# Altium PCB FinalArmPCB.PcbDoc (continued)
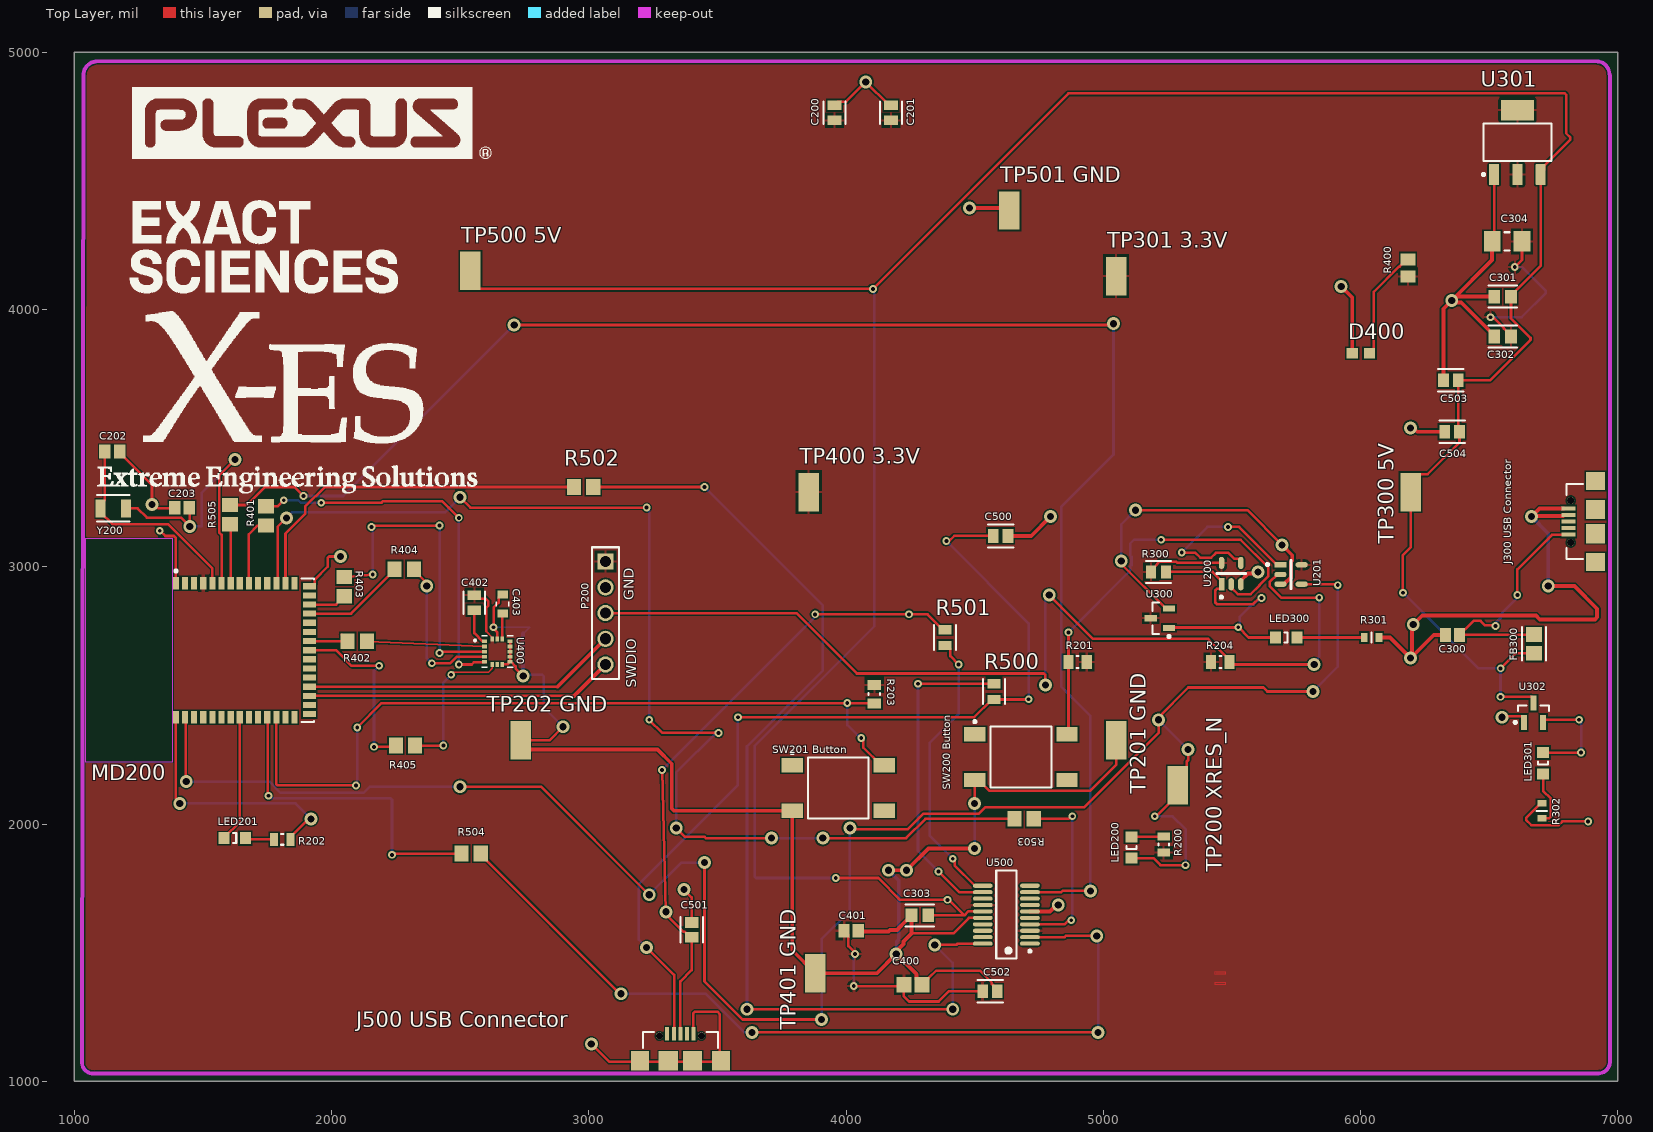
[diagram p0: Top Layer view]
## Part data (continued)
"TP200 XRES_N" "TP201 GND" "TP202 GND" "TP300 5V" "TP301 3.3V" "TP400 3.3V" "TP401 GND" "TP500 5V" "TP501 GND": library part CMP-1672-00008-1, "Test Point, 1 Position SMD, RoHS, Tape and Reel", Manufacturer 1="Keystone Electronics", Package Quantity=1000, Supplier Part Number 1=36-5019CT-ND, Category=Connectors, ComponentLink1Description="Manufacturer URL", ComponentLink1URL=http://www.keyelco.com/, ComponentLink2Description=Datasheet, ComponentLink2URL=http://www.keyelco.com/product-pdf.cfm?p=1357, ComponentLink3Description=https://datasheet.ciiva.com/16318/m60-2p61-16318395.pdf?src-supplier=Future+Electronics, ComponentLink3URL=https://datasheet.ciiva.com/16318/m60-2p61-16318395.pdf?src-supplier=Future+Electronics, ComponentLink4Description=https://datasheet.ciiva.com/16885/70182998-16885945.pdf?src-supplier=Allied+Electronics, ComponentLink4URL=https://datasheet.ciiva.com/16885/70182998-16885945.pdf?src-supplier=Allied+Electronics, ComponentLink5Description=https://datasheet.ciiva.com/14848/m60-2p61-14848437.pdf?src-supplier=Digi-Key, ComponentLink5URL=https://datasheet.ciiva.com/14848/m60-2p61-14848437.pdf?src-supplier=Digi-Key, ComponentLink6Description=https://datasheet.ciiva.com/14848/m60-2p61-14848438.pdf?src-supplier=Digi-Key, ComponentLink6URL=https://datasheet.ciiva.com/14848/m60-2p61-14848438.pdf?src-supplier=Digi-Key, ComponentLink7Description=https://datasheet.ciiva.com/14848/m60-2p61-14848439.pdf?src-supplier=Digi-Key, ComponentLink7URL=https://datasheet.ciiva.com/14848/m60-2p61-14848439.pdf?src-supplier=Digi-Key, Contact Material=Bronze, Contact Plating=Silver, DatasheetVersion=03/2014, Height=0.09inch, Lead Free="Lead Free", Manufacturer Part Number 1=5019, Material=Bronze, Mount="Surface Mount", Mounting Technology="Surface Mount", Number of Pins=1, PackageDescription="1-Pin Surface Mount Device, Body 3.81 x 2.03 mm", PackageReference=5019, Packaging="Tape and Reel", Pins=1, Pricing 1="1=0.34000, 25=0.27360, 100=0.22340, 250=0.20064, 500=0.19152 (USD)", REACH SVHC="No SVHC", RoHS=Yes, RoHS Compliant=Yes, RoHSCompliant=True, Series=5019, Stock 1=1316816, Supplier 1=Digi-Key, Termination=SMD/SMT
U200 U201: library part CMP-04903-000082-1, "IC GATE AND 1CH 2-INP SOT23-5", Manufacturer 1="Texas Instruments", Supplier Part Number 1=296-SN74AHC1G08DBV3CT-ND, Category="Logic Gates", ComponentLink1Description=http://www.ti.com/general/docs/suppproductinfo.tsp?distId=10&amp;gotoUrl=http%3A%2F%2Fwww.ti.com%2Flit%2Fgpn%2Fsn74ahc1g08&src-supplier=Digi-Key, ComponentLink1URL=http://www.ti.com/general/docs/suppproductinfo.tsp?distId=10&amp;gotoUrl=http%3A%2F%2Fwww.ti.com%2Flit%2Fgpn%2Fsn74ahc1g08&src-supplier=Digi-Key, Logic Function="AND GATE", Manufacturer Part Number 1=SN74AHC1G08DBV3, Pricing 1="1=0.53000, 10=0.42800, 25=0.39200, 100=0.29170, 250=0.26436, 500=0.21878, 1000=0.16409 (USD)", RoHS=Yes, RoHS Compliant=Yes, Stock 1=11940, Supplier 1=Digi-Key
U300: library part CMP-0130-00043-1, "1.75Î¼A Micropower Voltage Detector, Push-Pull Output, 2.93V, 3-Pin SOT-23, Extended Temperature, Tape and Reel", Code_IPC=SOT23-3, DatasheetVersion="revD, Jun-2005", PackageDescription="3-Lead Plastic Small Outline Transistor (TT) [SOT-23]", PackageReference=SOT-23-TT3, PackageVersion="revBB, Aug-2009"
U301: library part CMP-0395-00499-2, "Single Output LDO, 1 A, Fixed 3.3 V Output, 2 to 5.5 V Input, 4-pin SOT-223 (DCY), -40 to 125 degC, Green (RoHS & no Sb/Br)", Manufacturer="Texas Instruments", Accuracy(%)=2, Code_JEDEC=TO-261, ComponentLink1Description="Manufacturer URL", ComponentLink1URL=http://www.ti.com/, ComponentLink2Description=Datasheet, ComponentLink2URL=http://www.ti.com/general/docs/lit/getliterature.tsp?genericPartNumber=TLV1117LV33&fileType=pdf, ComponentLink3Description="Package Specification", ComponentLink3URL=http://www.ti.com/litv/pdf/mpds094a, DatasheetVersion=SBVS160A, Eco-Plan="Green (RoHS & no Sb/Br)", Fixed Output Options(V)=3.3, Iout(Max)(A)=1, Iq(Typ)(mA)=0.05, Mounting Technology="Surface Mount", PackageDescription="4-Pin Plastic Small Outline, Body 3.5 x 6.5 mm, Pitch 2.3 mm", PackageReference=DCY0004A, PackageVersion=4202506/B, PartNumber=TLV1117LV33DCYT, SubFamily="Single Channel LDO", Vdo(Typ)(mV)=1200, Vin(Max)(V)=5.5, Vin(Min)(V)=2, Vout Adj(Max)(V)=3.3, Vout Adj(Min)(V)=3.3
U302: library part CMP-0138-00383-1, "Microcontroller Supervisory Circuit with Push-Pull Output, 3-Pin SOT-23, Industrial Temperature, Tape and Reel", Code_IPC=SOT23-3, DatasheetVersion="revC, 2001", PackageDescription="3-Lead Plastic Small Outline Transistor (TT) [SOT-23]", PackageReference=SOT-23-TT3, PackageVersion="revBB, Aug-2009"
U400: "MotionTracking Device Digital Output 1.8V 16-Pin LGA / IMU ACCEL/GYRO I2C/SPI 16LGA", Case/Package=LGA, Manufacturer="TDK InvenSense", Max Operating Temperature=85°C, Min Operating Temperature=-40°C, Package="LGA-16 InvenSense", Supplier Part Number 1=1428-1052-1-ND, Availability=Good, Category="Inertial Measurement Units (IMUs)", ComponentLink1Description=https://www.invensense.com/wp-content/uploads/2015/03/ICM-20608-G-Product-Brief-v1.0.pdf?src-supplier=Digi-Key, ComponentLink1URL=https://www.invensense.com/wp-content/uploads/2015/03/ICM-20608-G-Product-Brief-v1.0.pdf?src-supplier=Digi-Key, Manufacturer Part Number=ICM-20608-G, MF="TDK InvenSense", Mount="Surface Mount", MP=ICM-20608-G, Number of Pins=16, Output Type=SPI,I2C,Digital, Price=None, Pricing 1="1=7.78000, 5=6.86600, 10=6.06500, 25=4.92040, 50=4.34820, 100=4.23370, 500=3.54718, 1000=3.31832 (USD)", Purchase-URL=https://pricing.snapeda.com/search/part/ICM-20608-G/?ref=eda, RoHS=No, RoHS Compliant=No, Sensor Type="Accelerometer,Gyroscope,3 Axis", SnapEDA_Link=https://www.snapeda.com/parts/ICM-20608-G/TDK%20InvenSense/view-part/196551/?ref=snap, Stock 1=18416, Supplier 1=Digi-Key
U500: library part CMP-0248-00015-2, "USB to Full-Handshake UART Interface Chip, UHCI/OHCI/EHCI Compatible, USB 2.0 Compatible, -40 to +85 degC, 20-Pin SSOP, Pb-Free, Tube", Manufacturer=FTDI, Code_JEDEC=MO-137-AD, ComponentLink1Description="Manufacturer URL", ComponentLink1URL=http://www.ftdichip.com/, ComponentLink2Description=Datasheet, ComponentLink2URL=http://www.ftdichip.com/Support/Documents/DataSheets/ICs/DS_FT231X.pdf, ComponentLink3Description="FT231X Product Page", ComponentLink3URL=www.ftdichip.com/Products/ICs/FT231X.html, DatasheetVersion="ver 1.2, Feb-2013", PackageDescription="20-Pin Small Outline Package, 8.6 x 3.9 mm Body, 0.635 mm Pitch", PackageReference=SSOP-20, PackageVersion=Feb-13, PartNumber=FT231XS-U, RevisionNote="DatasheetVersion updated to 1.2 Feb-2013"
Y200: library part CMP-2000-07587-2, "CRYSTAL 32.7680KHZ 6PF SMD", Case/Package=SMD/SMT, ESR (Equivalent Series Resistance)=55kR, Frequency=32.768kHz, Frequency Tolerance=20ppm, Load Capacitance=6pF, Manufacturer 1=Abracon, Manufacturer Part Number 1=ABS07-120-32.768KHZ-T, Max Operating Temperature=85°C, Min Operating Temperature=-40°C, Operating Frequency="32.768 kHz", Package Quantity=3000, Series Resistance=60kR, Supplier Part Number 1=535-11937-1-ND, Category=Crystals, ComponentLink1Description=https://datasheet.ciiva.com/6728/abs07-120-32-768khz-t-6728893.pdf?src-supplier=Digi-Key, ComponentLink1URL=https://datasheet.ciiva.com/6728/abs07-120-32-768khz-t-6728893.pdf?src-supplier=Digi-Key, ComponentLink2Description=https://datasheet.ciiva.com/12387/abs07-120-32-768khz-t-218607-12387629.pdf?src-supplier=Mouser, ComponentLink2URL=https://datasheet.ciiva.com/12387/abs07-120-32-768khz-t-218607-12387629.pdf?src-supplier=Mouser, ComponentLink3Description=https://datasheet.ciiva.com/15214/getdatasheetpartid-722402-15214953.pdf?src-supplier=Verical, ComponentLink3URL=https://datasheet.ciiva.com/15214/getdatasheetpartid-722402-15214953.pdf?src-supplier=Verical, Depth=1.5mm, Height=0.035inch, Lead Free="Lead Free", Length=3.2mm, Mount="Surface Mount", Number of Pins=2, Packaging="Tape and Reel", Pricing 1="1=1.20000, 10=1.15000, 50=1.12340, 100=0.96290, 500=0.93616, 1000=0.78905 (USD)", Radiation Hardening=No, REACH SVHC="No SVHC", RoHS=Yes, RoHS Compliant=Yes, Series=ABS07, Stock 1=273340, Supplier 1=Digi-Key, Termination=SMD/SMT, Tolerance=20ppm, Width=0.061inch

## Via types
v1: diameter 30, hole 15, Top Layer to Bottom Layer, 63 vias
v2: diameter 50, hole 28, Top Layer to Bottom Layer, 61 vias

## Nets (pads, with @x,y where several pads share a name; then routed paths per layer and width w, separated by ;. In a path a pad name is that pad's centre, name@x,y a point inside that pad or via, vN(x,y) a via of type N, cw(c..) or ccw(c..) an arc to the next point about the centre after c; other vN are vias at no path point)
3.3V: "TP301 3.3V.1" "TP400 3.3V.1" C200.1 C201.1 C302.1 C304.2 C400.1 C401.1 C402.2 C502.1 MD200.4 P200.1 R200.2 R201.2 R203.2 R204.2 R300.2 R400.1 U200.5 U201.5 U300.3 U301.2 U301.4 U400.16 U500.3 U500.14 | length 1990.3
  Top Layer w7: 2601,2749 2624.92,2725.08 U400.16
  Top Layer w10: C402.2 2568.7,2876.3 2598.7,2876.3 2610,2865 2610,2849.5 2601,2840.5 2601,2749 ; C401.1 4009.09,1568.35 4009.09,1525.66 4035,1499.76 v1(4035,1495) ; v1(4030,1370) 4220,1370 C400.1 4225,1330 4245,1310 4360.33,1310 4400.33,1350 C502.1 ; R203.2@4090,2540 R203.2@4103.11,2540 ; R300.2 5185.44,2985.07 5209.78,3009.41 5209.78,3011.06 5218.57,3019.85 5283.78,3019.85 5288.63,3015 U200.5 ; v1(6505.23,3970.23) 6515.46,3970.23 6557.66,3928.03 6557.66,3926.36 6585,3899.02 C302.1 ; v1(6600,4165) 6628.07,4193.07 C304.2
  Bottom Layer w10: v1(4030,1370) 4030,1490 v1(4035,1495) ; v1(6505.23,3970.23) 6505.46,3970 6626.72,3970 6720.86,4064.14 6720.86,4072.42 6629,4164.28 6600.72,4164.28 v1(6600,4165)
3V3_PWR_GOOD: LED300.2 R300.1 U200.1 U300.1 | length 1113.8
  Top Layer w10: R300.1 5425.53,2980 5460,2945.53 5460,2920.05 5454.52,2914.58 5442.29,2914.58 5435.72,2908.01 5435.72,2860.86 5441.58,2855 5582.67,2855 5606.51,2878.84 v1(5615.4,2878.84) ; U300.1 5256.64,2763.8 5523.8,2763.8 v1(5525,2765) 5565,2725 LED300.2
  Bottom Layer w10: v1(5525,2765) 5530,2770 5530,2805 5577.8,2852.8 5584.87,2852.8 5610.91,2878.84 v1(5615.4,2878.84)
5V: "TP300 5V.1" "TP500 5V.1" C301.1 C303.1 C503.1 C504.1 FB300.1 U301.3 U302.3 U500.15 | length 11486.1
  Top Layer w10: 2540,4150 2540,4115.16 2574.96,4080.2 4104.8,4080.2 v1(4105,4080) 4865,4840 6794.14,4840 6800,4834.14 6800,4685.12 6815.86,4669.26 6815.86,4660.98 6715.24,4560.35 6715.24,4545 6700.55,4530.31 U301.3 6700.55,4169.44 6585.13,4054.02 C301.1 6585.13,3965.69 6660.86,3889.96 6660.86,3881.68 6504.18,3725 C503.1 6380,3530 C504.1 6385,3483.3 6261.5,3359.8 6229.96,3359.8 6195,3324.84 6195,3290 6195,3075.1 6165,3045.1 v1(6165,2899.13) ; v1(3960,1790) 4125.76,1790 4210.76,1705 4400,1705 4460,1645 ; C303.1 4460,1645 ; U500.15 4475,1660 4460,1645 ; v1(6544.33,2494.33) 6665.79,2494.33 6672.6,2487.52 U302.3 ; v1(6545,2605) 6603.56,2663.56 FB300.1
  Bottom Layer w10: v1(3960,1790) 3650.86,1790 3645,1795.86 3645,2303.71 4110,2768.71 4110,4075 v1(4105,4080) ; v1(6165,2899.13) 6459.13,2605 v1(6545,2605) 6544.33,2604.33 v1(6544.33,2494.33)
  other v1: 4395,1705
5V0_PWR_GOOD: LED301.2 U302.2 | length 424.2
  Top Layer w10: LED301.2 v1(6857.68,2277.68) ; U302.2 6710,2398.19 6716.81,2405 v1(6850,2405)
  Bottom Layer w10: v1(6850,2405) 6857.68,2397.32 v1(6857.68,2277.68)
FTDI_CTS_N: R505.2 U500.9 | length 6331.4
  Top Layer w10: R505.2 1670.72,3240 1740.72,3310 1856,3310 v1(1891,3275) ; v2(2710,3940) 5035,3940 v2(5040,3945) ; U500.9@4716.1,1736.1 U500.9 4836.79,1735 4841.79,1740 v2(4950,1740)
  Bottom Layer w10: v1(1891,3275) 2045,3275 v2(2710,3940) ; v2(4950,1740) 4950,2420 4836,2534 4836,3231.58 5040,3435.58 v2(5040,3945)
FTDI_RTS_N: R504.2 U500.2 | length 3328.8
  Top Layer w10: R504.2 2580,1882.05 3122.05,1340 v2(3125,1340) ; v2(3635,1190) v2(4980,1190) ; U500.2 4849.29,1560 4854.29,1565 v2(4975,1565)
  Bottom Layer w10: v2(3125,1340) 3455,1340 3605,1190 v2(3635,1190) ; v2(4975,1565) 4980,1560 v2(4980,1190)
FTDI_RX: R503.2 U500.4 | length 727.6
  Top Layer w10: U500.4 4849.18,1610 4865.05,1625.88 v1(4875.88,1625.88) ; R503.2 4865.13,2020 4875.13,2030 v1(4880,2030)
  Bottom Layer w10: v1(4875.88,1625.88) 4880,1630 v1(4880,2030)
FTDI_TX: R502.2 U500.20 | length 4044.3
  Top Layer w10: R502.2@3018.07,3309.33 R502.2 v1(3450,3310) ; v2(3615,1280) v2(4415,1280) ; v2(4345,1530) 4429.17,1530 4434.17,1535 U500.20
  Bottom Layer w10: v1(3450,3310) 3910,2850 3910,2597 3615,2302 v2(3615,1280) ; v2(4345,1530) 4415,1460 v2(4415,1280)
GND: "J300 USB Connector.4" "J300 USB Connector.5" "J500 USB Connector.5" "J500 USB Connector.Shell" "SW200 Button.3" "SW201 Button.3" "TP201 GND.1" "TP202 GND.1" "TP401 GND.1" "TP501 GND.1" C200.2 C201.2 C202.1 C203.1 C300.2 C301.2 C302.2 C303.2 C304.1 C400.2 C401.2 C403.2 C500.2 C501.2 C502.2 C503.2 C504.2 D400.1 MD200.1 MD200.15 MD200.43 P200.2 R202.1 R301.1 R302.1 U200.3 U201.3 U300.2 U301.1 U302.1 U400.8 U400.9 U400.10 U400.11 U400.12 U400.13 U400.15 U500.6 U500.16 | length 15648.2
  Top Layer w10: C202.1 1176.09,3444.06 1302,3318.15 v2(1302,3242) 1312.82,3242 1327.77,3227.06 C203.1@1387.97,3227.06 ; v1(1332,3140) 1333.75,3140 1354.09,3119.66 1387.37,3119.66 1395,3112.03 1395,2956.18 1400,2951.18 MD200.1@1400,2950 ; MD200.43 1395,2100 1410,2085 v2(1410,2080) ; R202.1 1840,1948.86 1911.14,2020 v2(1920,2020) ; MD200.15 1927.24,2924.02 1934.25,2931.02 1934.25,2949.25 1985,3000 1985,3034.14 1990.86,3040 v2(2035,3040) ; U400.15 2644.61,2744.98 2630,2759.59 v1(2630,2765) 2630,2841.21 2649.33,2860.54 2649.33,2880.67 2660.08,2891.42 C403.2 ; U400.8 2683.71,2620.71 2689.57,2626.57 2689.57,2629.06 2691.46,2630.95 U400.9 ; U400.13 U400.12 U400.11 U400.10 U400.9 ; 2735,2290.16 2735,2325 2847.3,2325 v2(2900.33,2378.03) ; v2(2745,2575) 2715.4,2604.6 2715.4,2612.52 2696.97,2630.95 U400.9 ; v2(3010,1145) 3079,1076 3510,1076 3510,1260 3499.76,1270.24 3412.86,1270.24 3407,1264.38 3407,1186 ; v2(3370,1745) 3400,1715 C501.2 ; C200.2 3968.7,4808.23 3999.88,4808.23 v2(4076.65,4885) 4167.13,4794.53 C201.2 ; 4255,1575 4418.28,1575 4478.28,1635 U500.16 ; C400.2@4271.34,1399.53 4273.84,1397.03 C400.2 4295.87,1375.98 4320.39,1400.51 4321.38,1400.51 4350.87,1430 4520.1,1430 4567.19,1382.91 4567.19,1377.32 4588.57,1355.94 C502.2 C502.2@4588.57,1344.06 ; v2@4500.87,2085.87 4500.87,2171.42 4514.65,2171.42 4557.2,2128.86 4948.86,2128.86 5050,2230 5050,2325 ; 4625,4395 4635,4385 4635,4350.16 ; v2@4818.43,1685 v2(4825,1685) ; v2(5070,3022.52) 5070,3011.02 5243.62,2837.4 U300.2 ; v2(5125,3220) 5560,3220 v2(5695,3085) ; U201.3 U201.3@5701.89,2932.6 ; v2(6195,2645) v2@6200,2650 ; v2(6195,3540) v2@6205.82,3540 ; v2@6200,2770 v2(6205,2775) ; v2@6362.65,4027.35 v2(6355,4035) 6365.82,4035 6380.82,4050 ; C304.1 6519.45,4272.52 U301.1 ; C302.2 C302.2@6519.87,3899.02 ; v2(6550,2415) 6554.53,2419.53 6628.39,2419.53 6635.2,2412.72 U302.1 ; v2(6665,3195) v2@6667.87,3197.87 ; R302.1 6700.08,2080 6644.14,2024.06 6644.14,2015.78 6664.8,1995.12 6770.18,1995.12 6785.06,2010 v1(6885,2010) ; 6786.97,3197.87 6789.69,3200.59
  Top Layer w15: 2735,2290.16 3266.66,2290.16 3322.5,2234.32 3322.5,2060.2 3331.29,2051.42 3790.87,2051.42 3790.87,1509.13 3880,1420 4120,1420 v2(4195,1495) ; C401.2@4044.72,1582.17 4165,1582.17 4170.54,1587.7 4197.7,1587.7 4235.69,1625.69 4239.71,1625.69 C303.2@4255,1640.98 ; v2(4165,1820) v2(4235,1820) 4320,1905 v2(4500,1905) ; C303.2 C303.2@4255,1640.98 ; C400.2@4273.84,1397.03 4273.84,1416.16 v2(4195,1495) ; v2(4480,4395) 4625,4395 ; C500.2 4720,3120 v2(4795,3195) ; U500.6 4793.43,1660 v2@4818.43,1685 ; U200.3 5534.8,2945.53 5562.57,2973.3 5595.22,2973.3 v2(5601.91,2980) ; v2(5695,3085) 5735,3045 5735,3023.86 5730.13,3018.99 5730.13,2958.68 5713.48,2942.02 5712.93,2942.02 5703.5,2932.6 U201.3@5701.89,2932.6 ; v2(5925,4090) 5968.07,4046.93 D400.1 ; R301.1 6115,2725 v2(6195,2645) ; v2@6200,2770 6200,2650 6285,2735 C300.2 ; v2(6205,2775) 6240,2810 6681.93,2810 6696.93,2795 6911.21,2795 6920,2803.79 6920,2836.57 6831.57,2925 v2@6731.54,2925 ; v2@6205.82,3540 6220.82,3525 C504.2 ; C503.2 6322.85,4002.85 v2(6355,4035) 6511.93,4191.93 C304.1 ; v2@6362.65,4027.35 6391.54,4027.35 C302.2@6519.87,3899.02 ; 6380.82,4050 C301.2 ; 6786.97,3197.87 6667.87,3197.87 6696.18,3226.18 6789.69,3226.18 ; v2(4195,1495) 4195,1504.39 4223.89,1533.28 4223.89,1543.89 4255,1575 C303.2@4255,1640.98
  Bottom Layer w7: v1(2630,2765) 2770,2765 2745,2740
  Bottom Layer w10: v2(1410,2080) 1860,2080 v2(1920,2020) ; v2(2745,2575) 2750,2580 2819.14,2580 2825,2574.14 2825,2453.37 v2(2900.33,2378.03) ; v2(4500,1905) v2(4500,2080) ; v2(5070,3022.52) 5070,3165 v2(5125,3220)
  Bottom Layer w15: v2(2745,2575) 2745,2740 ; v2(4165,1820) 4205,1780 4205,1550 4197.5,1542.5 4197.5,1497.5 v2(4195,1495) ; v2(6665,3195) 6730,3130 v2(6730,2925)
INT_DIG: R405.2 U400.6 | length 586.6
  Top Layer w7: v1(2465,2580) 2475,2590 2610.08,2590 2624.92,2604.84 U400.6
  Top Layer w10: R405.2@2324.8,2302.05 R405.2 2434.54,2305 v1(2434.62,2304.92)
  Bottom Layer w10: v1(2434.62,2304.92) 2434.62,2549.62 v1(2465,2580)
NetC300_1: "J300 USB Connector.1" C300.1 FB300.2 | length 954.9
  Top Layer w10: v1(6525,2770) 6522.91,2772.09 6485,2772.09 6467.09,2790 6440,2790 6406.57,2756.57 6401.65,2756.57 6385,2739.92 C300.1 6673.56,2735 FB300.2 ; v1(6610,2890) 6610,2990 6743.82,3123.82 6789.69,3123.82
  Bottom Layer w10: v1(6525,2770) 6525,2780.82 6544.32,2800.14 6544.32,2814.32 6610,2880 v1(6610,2890)
NetC402_1: C402.1 U400.1 | length 151.9
  Top Layer w10: C402.1@2555,2840.47 C402.1 2555,2741.89 2587.2,2709.69 U400.1
NetC403_1: C403.1 U400.14 | length 99
  Top Layer w10: U400.14 2664.29,2817.88 C403.1
NetD400_2: D400.2 R400.2 | length 432.1
  Top Layer w10: D400.2 6036.97,3830 6051.65,3844.69 6051.65,4068.1 6150.24,4166.69 6151.77,4166.69 6180.08,4195 R400.2
NetLED300_1: LED300.1 R301.2 | length 262.3
  Top Layer w10: LED300.1 R301.2
NetLED301_1: LED301.1 R302.2 | length 215.8
  Top Layer w10: R302.2 6733.93,2022.91 6739.78,2028.77 6739.78,2098.6 6710,2128.39 LED301.1
P0_0: C202.2 MD200.5 Y200.1 | length 825.1
  Top Layer w10: C202.2 1119,3259.17 1102.57,3242.75 Y200.1 1102.57,3211.25 1147.83,3166 1363.66,3166 1537.13,2992.54 MD200.5
P0_1: C203.2 MD200.6 Y200.2 | length 1220
  Top Layer w10: Y200.2 1245.86,3227 1281.81,3191.06 1414.33,3191.06 v2(1448.64,3156.75) 1448.64,3227.36 C203.2 ; MD200.6 1572.56,3124.01 1563.49,3133.08 1563.49,3355.49 v2(1625,3417)
  Bottom Layer w10: v2(1448.64,3156.75) 1494.75,3156.75 1495,3157 1495,3287 v2(1625,3417)
P0_4: MD200.41
P0_5: MD200.2
P5_0: MD200.39
P5_1: MD200.40
P5_2: MD200.38
P5_3: MD200.37
P5_4: MD200.25
P6_2: MD200.28
P6_3: MD200.30
P6_4: MD200.24
P6_5: MD200.29
P7_1: MD200.23
P7_2: MD200.22 R405.1 | length 701.2
  Top Layer w10: MD200.22 2017.72,2675.59 2078.31,2615 v1(2185,2615) ; v1@2170,2300 2245,2300 R405.1
  Bottom Layer w10: v1(2165,2300) 2165,2595 v1(2185,2615)
P7_7: MD200.31
P9.0: MD200.17 R403.1 | length 152
  Top Layer w10: MD200.17 2017.95,2853.15 R403.1 R403.1@2052.95,2885.2
P9.1: MD200.18 R404.1 | length 404
  Top Layer w10: MD200.18 2075.86,2817.72 2245.2,2987.05 R404.1
P9.2: MD200.21 R402.1 | length 183.6
  Top Layer w10: MD200.21 2061.57,2711.02 R402.1 2062.6,2712.95 R402.1@2040.04,2735.51
P9.3: MD200.9 R401.1 | length 283.8
  Top Layer w10: MD200.9 1678.86,3126.46 1712.6,3160.2 R401.1 R401.1@1754.46,3169.65
P9_4: MD200.14
P9_5: MD200.19
P9_6: MD200.20
P10.0: MD200.13 R502.1 | length 1405.8
  Top Layer w10: MD200.13 1820.98,3129.42 1897.49,3205.92 1897.49,3233.5 1973.99,3310 R502.1
P10.1: MD200.12 R503.1 | length 4651.6
  Top Layer w10: MD200.12 1790.51,2941.14 1790.51,3155.51 v2(1825,3190) ; v2(2500,3270) 2540,3230 v1(3225,3230) ; v1(3235,2405) 3285.93,2354.07 v1(3504.7,2354.07) ; v2(3340,1985) 3375,1950 3450,1950 3455,1945 v2(3710,1945) ; v2(3910,1945) 4233.72,1945 4308.72,2020 R503.1
  Bottom Layer w10: v2(1825,3190) 1846.17,3211.17 2441.17,3211.17 v2(2500,3270) ; v1(3225,3230) 3235,3220 v1(3235,2405) ; v2(3340,1985) 3340,2200 3500,2360 3504.7,2355.3 v1(3504.7,2354.07) ; v2(3710,1945) v2(3910,1945)
P10.2: MD200.33 R504.1 | length 1280
  Top Layer w10: MD200.33 1752.56,2412.56 1752.56,2112.44 v1(1755,2110) ; v1(2235,1880) 2240,1885 R504.1
  Bottom Layer w10: v1(1755,2110) 1765,2100 2229.14,2100 2235,2094.14 v1(2235,1880)
P10.3: MD200.7 R505.1 | length 230.3
  Top Layer w10: R505.1 1607.99,3162.2 MD200.7
P10.4: MD200.8
P10.5: MD200.11
P10.6: MD200.10
P12_6: MD200.34
P12_7: MD200.35
PB_IN: "SW201 Button.2" MD200.32 R203.1 | length 3166.6
  Top Layer w10: MD200.32 1785,2414.45 1785,2155.86 1790.86,2150 v1(2095,2150) ; v1(2100,2375) 2195,2470 v1(4005,2470) 4005.87,2469.13 R203.1 R203.1@4116.89,2469.13 ; v1(4059.44,2333.95) 4067.09,2326.29 4067.09,2296.85 4135.35,2228.58 4149.13,2228.58
  Bottom Layer w10: v1(2095,2150) 2100,2155 v1(2100,2375) ; v1(4005,2470) 4005,2385 4056.05,2333.95 v1(4059.44,2333.95)
PRG_RESET_N: P200.3 R204.1 U201.2 | length 3900.3
  Top Layer w10: P200.3 3807.17,2820 4042.17,2585 4769.14,2585 4775,2579.14 v2(4775,2540) ; v2(4790,2890) 4960,2720 5407.32,2720 5490.43,2636.89 R204.1 5500.43,2620 v2(5820,2620) ; U201.2 5676.77,2970 5646.84,2940.07 5646.84,2925.12 5691.96,2880 v1(5840,2880)
  Bottom Layer w10: v2(4775,2540) 4775,2875 v2(4790,2890) ; v2(5820,2620) 5820,2630.82 5840,2650.82 v1(5840,2880)
RESET1: U200.4 U201.1 | length 754.1
  Top Layer w10: v1(5305,3055.2) 5357.23,3055.2 5377.43,3035 5418.84,3035 5437.57,3053.73 5486.27,3053.73 5509.65,3030.35 5529.75,3030.35 5534.8,3025.29 U200.4 ; v1(5485,3155) 5527.79,3155 5675.39,3007.4 U201.1
  Bottom Layer w10: v1(5305,3055.2) 5305.2,3055.2 5405,3155 v1(5485,3155)
RESET_N: "SW200 Button.2" R201.1 U200.2 | length 1667.1
  Top Layer w10: 4859.13,2348.58 4865,2354.45 R201.1 v1(4865,2745) ; v1(5225,3105) 5533.48,3105 5641.91,2996.57 5641.91,2963.43 5607.5,2929.02 5607.5,2927.5 5573.09,2893.09 5523.35,2893.09 5497.4,2919.03 U200.2
  Bottom Layer w10: v1(4865,2745) 5105,2985 5105,3000.95 5110,3005.95 5110,3039.09 5105,3044.09 5105,3090 5120,3105 v1(5225,3105)
SPI_CS: R401.2 U400.5 | length 1474.9
  Top Layer w10: R401.2@1719.73,3240.78 R401.2@1725.51,3235 ; R401.2 1790,3235 1813.55,3258.55 v1(1814.13,3258.55) ; v1(1960,3249) 2194.71,3249 2200.71,3255 2430,3255 v1(2495,3190) ; v1(2495,2620) 2544.88,2620 2553.62,2628.74 U400.5@2595,2628.74
  Bottom Layer w10: v1(1814.13,3258.55) 1870.68,3258.55 1880.23,3249 v1(1960,3249) ; v1(2495,2620) v1(2495,3190)
SPI_SCLK: R402.2 U400.2 | length 458
  Top Layer w7: R402.2 U400.2
SPI_SDI: R403.2 U400.3 | length 1222.7
  Top Layer w10: R403.2 v1(2160,2970) ; v1@2160,3160 v1(2420,3160) ; v1(2420,2665) 2425.41,2665 2430.73,2670.32 U400.3
  Bottom Layer w10: v1(2160,2970) v1@2160,3150 ; v1(2420,2665) v1(2420,3160)
  other v1: 2155,3155
SPI_SDO: R404.2 U400.4 | length 632.2
  Top Layer w10: R404.2@2320,3012.6 R404.2 2320,2987.05 2362.35,2944.7 2362.35,2932.65 v2(2370,2925) ; v1(2390,2625) 2461.82,2625 2487.45,2650.63 U400.4
  Bottom Layer w10: v2(2370,2925) 2370,2645 v1(2390,2625)
SWDCLK: MD200.26 P200.4 | length 1228
  Top Layer w10: MD200.26 2878.46,2533.46
  Top Layer w15: 2878.46,2533.46 P200.4
SWDIO: MD200.27 P200.5 | length 1201.3
  Top Layer w10: MD200.27 2943.03,2498.03
  Top Layer w15: 2943.03,2498.03 P200.5
USB_D_M: "J500 USB Connector.2" C500.1 R500.1 | length 3561.1
  Top Layer w10: v2(3225,1520) 3332,1413 3332,1167.76 ; v1(3580,2415) 4498.16,2415 4567.05,2483.89 R500.1 4708.89,2483.89 v1(4710,2485) ; v1(4390,3100) 4400.82,3100 4420.82,3120 C500.1
  Bottom Layer w10: v2(3225,1520) 3195,1550 3195,1767.09 3580,2152.09 v1(3580,2415) ; v1(4390,3100) 4710,2780 v1(4710,2485)
USB_D_P: "J500 USB Connector.3" C501.1 R501.1 | length 2482.8
  Top Layer w10: v1(3285,2210) v2(3300,1658.57) 3300,1648.48 3367.09,1581.39 3372.68,1581.39 3394.06,1560 C501.1 3400,1431.71 3356,1387.71 3356,1184.29 ; v1@3890,2815 v1(4245,2815) 4317.05,2815 4377.05,2755 R501.1
  Bottom Layer w10: 3285,2195 v1(3285,2210) v1@3890,2815
  other v1: 3880,2815
USBDM: R500.2 U500.12 | length 1263.2
  Top Layer w10: v1(4280,2545) R500.2 ; v1(4360,1815) 4440,1735 U500.12
  Bottom Layer w10: v1(4280,2545) 4280,1895 v1(4360,1815)
USBDP: R501.2 U500.11 | length 1110.9
  Top Layer w10: R501.2 4392.95,2693.89 4405.78,2681.06 4405.78,2652.36 v1(4437.99,2620.16) ; v1(4415,1865) 4422.65,1857.35 4422.65,1838.76 4501.42,1760 U500.11
  Bottom Layer w10: v1(4415,1865) 4325,1955 4325,2314.89 4437.99,2427.88 v1(4437.99,2620.16)
USR_LED: LED201.2 MD200.36 | length 495.3
  Top Layer w10: LED201.2 1582.32,1946.97 1643.43,2008.07 MD200.36
USR_LED_R: LED201.1 R202.2 | length 114.1
  Top Layer w10: LED201.1 1670,1940 R202.2
VBACKUP: MD200.3
VREF: MD200.16
XRES_N: "TP200 XRES_N.1" LED200.1 MD200.42 U201.4 | length 7939.3
  Top Layer w10: MD200.42 1432.72,2412.72 1432.72,2167.28 v2(1435,2165) ; v2(2500,2145) 2815,2145 v2(3235,1725) ; v2(3450,1850) 3450,1388.43 3598.43,1240 v2(3905,1240) ; v2(4015,1985) 4020,1980 4240.44,1980 4300.44,2040 4516.57,2040 4542.08,2065.51 4926.49,2065.51 5215,2354.02 v2(5215,2405) 5214.14,2405.86 5214.14,2414.14 5330.51,2530.51 5622.54,2530.51 5638.06,2515 v2(5815,2515) ; LED200.1 5194.61,1867.32 5221.94,1840 v1(5320,1840) ; v1(5200,2030) 5204.84,2030 5290,2115.16 5290,2150 5324.96,2184.96 5324.96,2243.14 5330,2248.18 v2(5330,2290) ; U201.4 5907.6,2932.6 v1(5911.7,2928.5)
  Bottom Layer w10: v2(1435,2165) 1758.05,2165 1802.05,2121 2125.09,2121 2149.09,2145 v2(2500,2145) ; v2(3235,1725) 3360,1850 v2(3450,1850) ; v2(3905,1240) 3905,1552.09 4015,1662.09 v2(4015,1985) ; v1(5200,2030) 5270,2030 5320,1980 v1(5320,1840) ; v2(5215,2405) v2(5330,2290) ; v2(5815,2515) 5911.7,2611.7 v1(5911.7,2928.5)
XRES_N_R: LED200.2 R200.1 | length 125.6
  Top Layer w10: LED200.2 5233.5,1950 R200.1
pads on no net: "J300 USB Connector.2" "J300 USB Connector.3" "J300 USB Connector.MH1" "J300 USB Connector.MH2" "J300 USB Connector.Shell" "J500 USB Connector.1" "J500 USB Connector.4" "J500 USB Connector.MH1" "J500 USB Connector.MH2" "SW200 Button.1" "SW200 Button.4" "SW201 Button.1" "SW201 Button.4" U400.7 U500.1 U500.5 U500.7 U500.8 U500.10 U500.13 U500.17 U500.18 U500.19

## Polygon pours and split planes (outlines as drawn)
3.3V on Top Layer "3.3V_L01_P007" (solid, remove dead copper, pour order 7): 990,5010 1005,4995 1005,1025 6970,1025 7005,990 7005,5020 1040,5020 1030,5010
SPI_CS on Top Layer "SPI_CS_L01_P009" (solid, pour order 9): 5435,1425 5475,1425 5475,1415 5435,1415
SPI_SDI on Top Layer "SPI_SDI_L01_P008" (solid, pour order 8): 5435,1385 5475,1385 5475,1375 5435,1375
GND on Bottom Layer "GND_L02_P001" (solid, pour order 1): 1020,5030 1035,5015 1035,1048 6951.84,1048 6922.58,4950.56 1097,4963 1025,5035

## Keep-outs
Keep-Out Layer:
  lines w15: 1030,1070 ccw(c1072.5,1072.5) 1075,1030 ; 1030,1075 1035.21,4910.21 cw(c1090,4910.21) 1090,4965 ; 1080,1030 6920,1030 ; 1095,4965 6925,4965 ; 6915,4965 cw(c6916.5,4913.35) 6968.11,4916.05 ; 6925,1030 ccw(c6922.5,1077.5) 6970,1080 6970,4910

## Silkscreen, mask and mechanical layers (free items; w line width, h text height)
Top Overlay:
  drawing of 55 lines, arcs and shapes, not listed
Mechanical 1:
  lines w10: 1026.86,4888.14 1027.89,4904.45 1027.9,4904.28
Mechanical 2:
  lines w10: 1026.86,4888.14 1026.86,1079.07 ccw(c1080,1080) 1080,1026.85 6922.78,1026.86 ccw(c6921.85,1080) 6975,1080 6975,4605 6975,4920 ccw(c6921.86,4919.07) 6921.86,4972.22 6271.86,4972.22 ; 1027.9,4904.28 cw(c1091.62,4904.28) 1090.51,4967.99 6269.08,4970

## Text inside footprints (layer, text, board x,y; h text height)
"J300 USB Connector": Mechanical 2 "PCB Edge" at 6996.68,3128.51 h16 r90
"J500 USB Connector": Mechanical 2 "PCB Edge" at 3308.94,997.01 h16
P200: Top Overlay "GND" at 3175,2870 h40 r90; Top Overlay "SWDIO" at 3185,2530 h40 r90